# KiCad board AnalogFNN.kicad_pcb (continued)
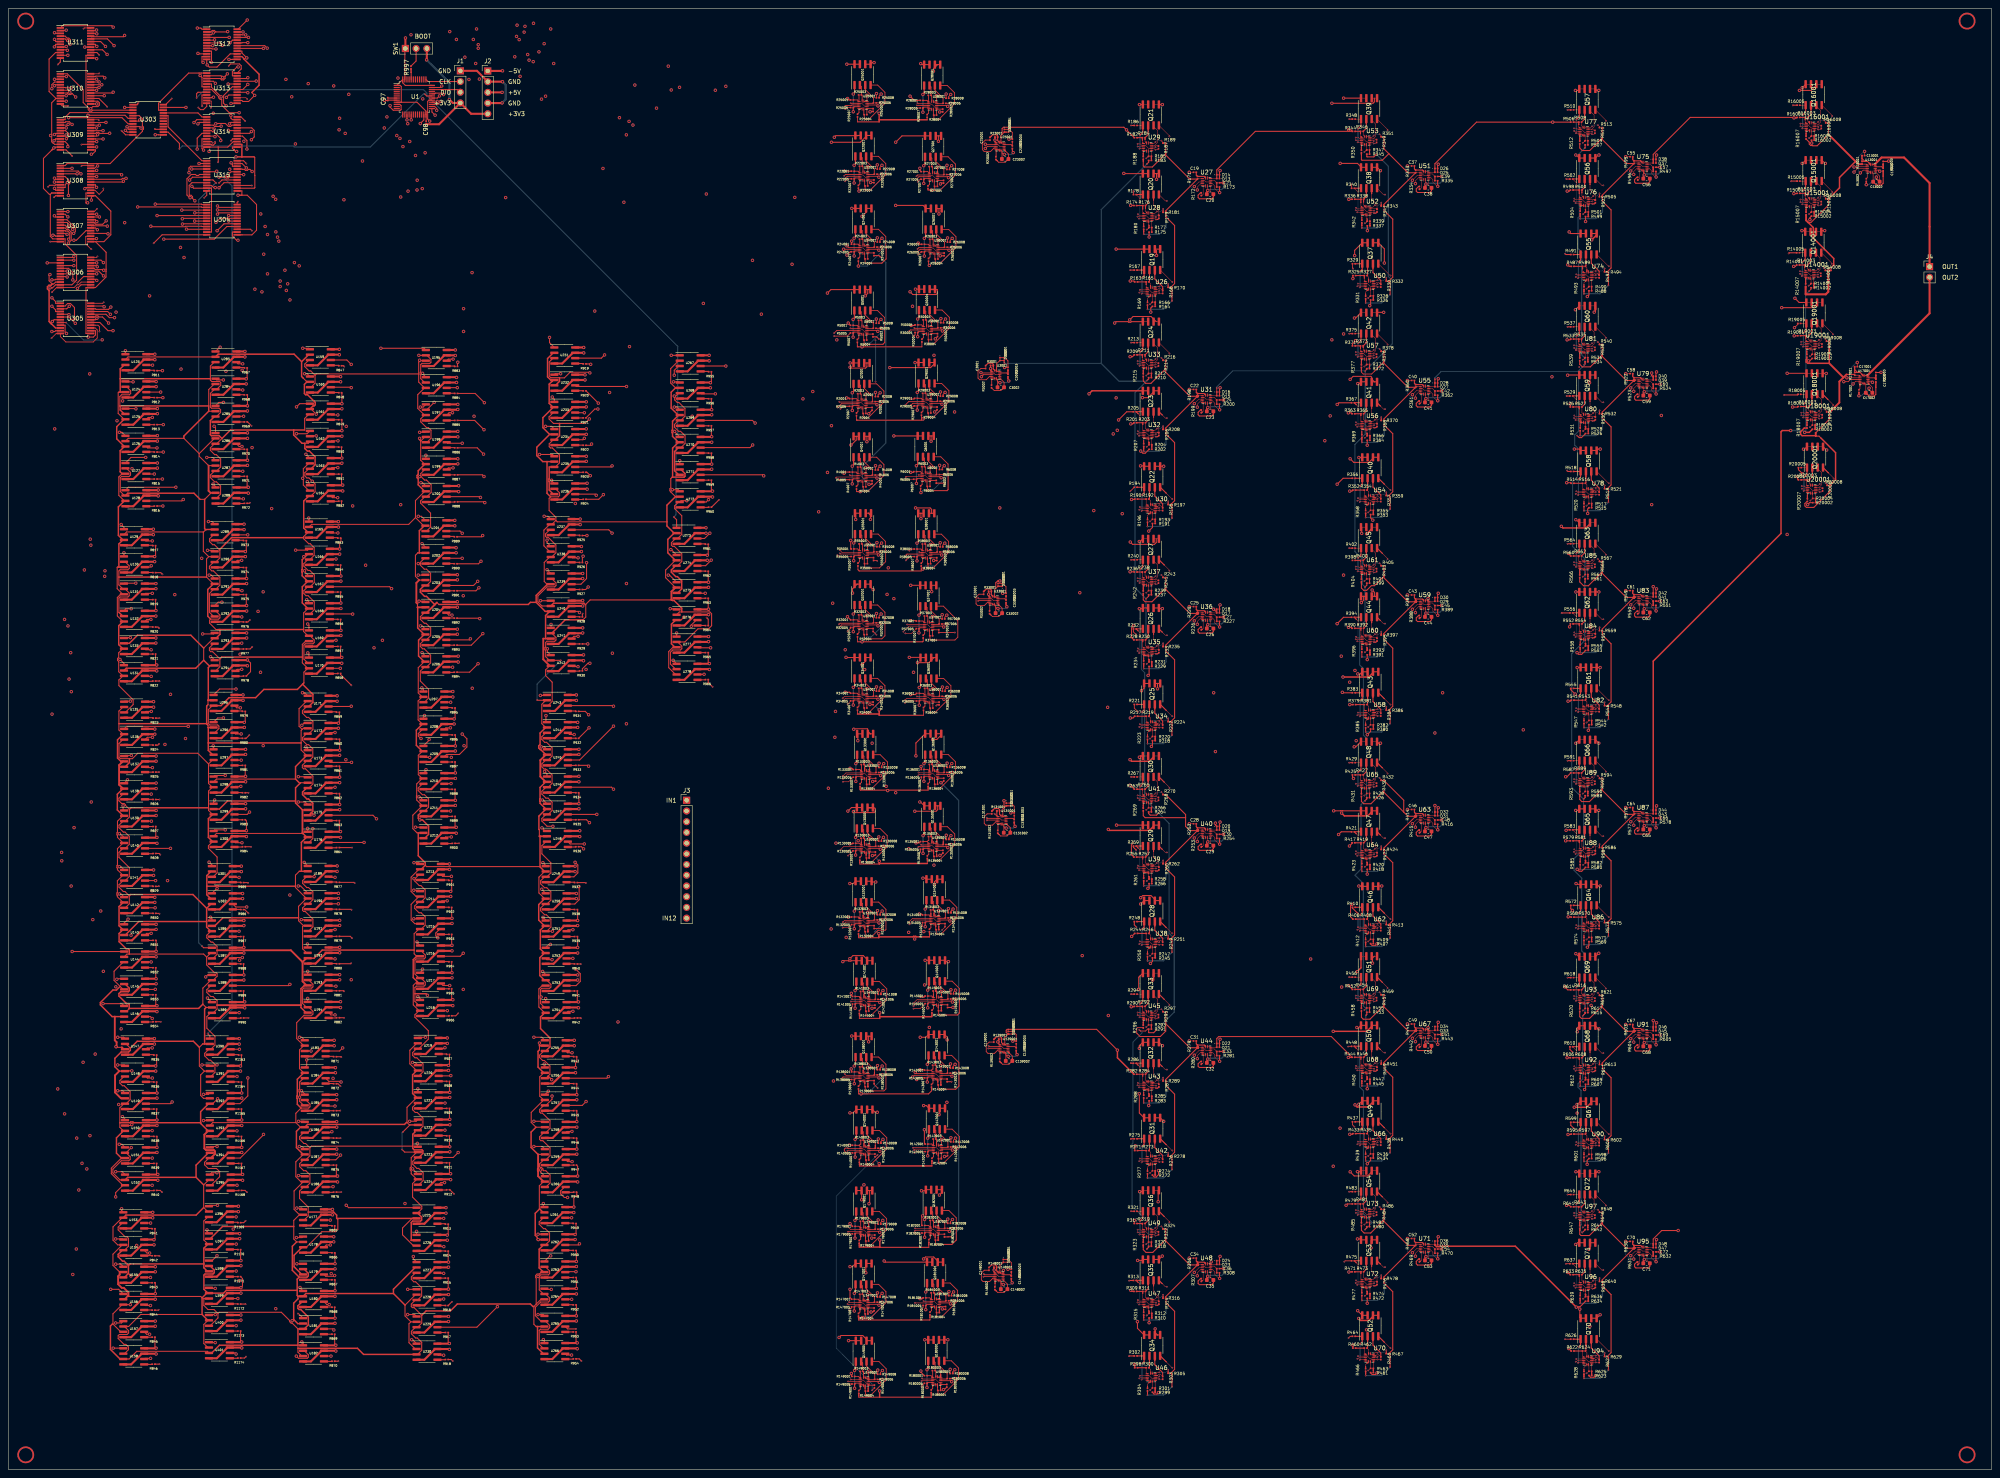
[diagram p0: board, top side]
## Routing (per net, layer and track width the routed paths; a pad name or vN(x,y) marks a point on that pad's centre or on a via; arc(x,y) is an arc through that point) (continued)
  In5.Cu w0.25: v1(216.66,60.16) 216.72,60.23 216.72,65.63 216.97,65.88 216.97,66.35 216.72,66.6 216.72,80.14 216.5,80.36 216.5,80.84 216.72,81.06 216.72,85.67 216.66,85.73 216.33,86.07 216.33,86.55 216.72,86.94 216.72,106.48 216.1,107.1 v2(216.1,112.04) ; v1(213.93,271.32) 213.02,272.23 213.02,325.03 v1(213.68,325.69)
/L1_IN8: length 348.9
  Top w0.25: v1(223.84,109.6) 223.82,109.58 R145002.1 ; R136002.1 221.24,162.88 v1(221,162.88) ; v2(223.5,55.2) 222.7,55.2 222.67,55.17 R182002.1 ; v1(219.29,215.59) 220.02,215.59 ; v1(219.67,268.14) 220.19,268.67 ; R28002.1 220.75,321.98 v1(220.7,321.94)
  In3.Cu w0.25: 220,268.14 220,251.12 220.08,251.04 220.08,250.56 220,250.48 220,186.04 221,185.04 v1(221,162.88)
  In3.Cu w0.35: v1(220.7,321.94) 218.08,319.32 218.08,292.94 219.67,291.36 v1(219.67,268.14) 220,268.14 ; 220,215.59 v1(219.29,215.59)
  In4.Cu w0.25: v1(221,162.88) 217.71,159.59 180.48,159.59 161.82,140.94 J3.8
  Bottom w0.25: v1(221,162.88) 225.19,158.69 225.19,110.95 v1(223.84,109.6) 225.19,108.25 225.19,56.89 v2(223.5,55.2)
/L1_IN9: length 337.5
  Top w0.25: v1(216,308.6) 216,308.11 R27001.1 ; R143001.1 217.05,94.8 v1(216.06,94.8) ; v1(213.8,201.31) 215.09,201.31 R37001.1 ; R29001.1 214.59,253.87 v2(213.88,253.87) ; v1(216.05,40.52) 216.58,40.52 R181001.1 ; v1(215.1,148.61) 215.84,148.61 R135001.1
  In1.Cu w0.25: v1(213.8,201.31) 213.8,193.12 214.07,192.85 214.07,192.37 213.8,192.1 213.8,188.29 214.52,187.58 214.52,169.71 214.44,169.63 214.44,169 215.1,168.34 215.1,156.64 215.38,156.36 215.38,155.88 215.1,155.6 v1(215.1,148.61)
  In2.Cu w0.25: J3.9 204.88,138.4 205.29,138.8 205.32,138.77 205.79,138.77 206.13,139.1 206.13,139.64 213.15,146.66 213.15,146.65 213.63,146.65 213.97,146.99 213.97,147.48 v1(215.1,148.61)
  In5.Cu w0.25: v1(215.1,148.61) 215.1,126.3 215.35,126.06 215.35,125.58 215.1,125.34 215.1,95.76 v1(216.06,94.8) 215.98,94.71 215.98,85.92 216.06,85.84 216.06,66.6 215.82,66.35 215.82,65.88 216.06,65.63 216.06,40.54 v1(216.05,40.52) ; v1(216,308.6) 216.16,308.44 216.16,291.12 216.2,291.08 216.2,290.6 216.16,290.56 216.16,257.39 213.88,255.11 v2(213.88,253.87) 213.2,253.19 213.2,218.42 212.94,218.16 212.94,217.68 213.2,217.42 213.2,201.91 v1(213.8,201.31)
/L1_IN10: length 353.1
  Top w0.2: v2(224.3,198.5) 224.29,198.5 R37002.1
  Top w0.25: v1(219.51,250.8) 219.56,250.8 R29002.1 ; v1(220.76,145.65) 220.91,145.65 R135002.1 ; R181002.1 221.42,38 v1(221.34,38.09) ; v2(223.52,92) 223.5,91.98 R143002.1 ; v1(220.89,304.88) 221.09,305.08 R27002.1
  In1.Cu w0.25: v1(219.34,143.34) 218.8,142.8 218.8,137.21 219,137.01 219,89.9 ; v2(223.52,92) 221.42,89.9 219,89.9 ; 219,89.9 219,40.43 v1(221.34,38.09)
  In2.Cu w0.25: 218.61,144.01 219.28,143.34 v1(219.34,143.34) ; v1(219.51,250.8) 219.51,250.81 224.23,250.81 v1(224.24,250.8)
  In2.Cu w0.35: J3.10 210.45,135.85 218.61,144.01
  In5.Cu w0.25: v1(219.34,143.34) 219.34,145.65
  In5.Cu w0.35: 219.34,145.65 v1(220.76,145.65) 220.76,151.75 224.29,155.29 224.29,250.8 ; 224.29,250.8 v1(224.24,250.8) ; 224.29,250.8 224.29,301.48 v1(220.89,304.88)
/L1_IN11: length 338.2
  Top w0.25: v1(213.83,236.47) 214.39,236.47 R6001.1 ; v1(213.84,183.79) 214.96,183.79 R36001.1 ; R142001.1 217.08,77.37 v1(217.08,80.6) ; v1(216.25,23.36) 216.25,23.09 R180001.1 ; R26001.1 215.89,290.57 v1(215.62,290.84) ; v1(215.85,131.74) 216.43,131.74 R134001.1
  In1.Cu w0.25: v1(215.85,131.74) 214.07,133.53 214.07,183.57 v1(213.84,183.79) ; v1(217.08,80.6) 215.38,78.9 215.38,24.24 v1(216.25,23.36)
  In3.Cu w0.25: v1(215.62,290.84) 216.12,290.35 216.12,244.79 213.83,242.51 v1(213.83,236.47) 213.83,218.42 214.09,218.16 214.09,217.68 214.07,217.66 214.18,217.55 214.18,212.42 214.84,211.77 214.84,200.72 213.84,199.72 213.84,193.08 214.07,192.85 214.07,192.37 213.84,192.14 v1(213.84,183.79)
  In4.Cu w0.25: J3.11 161.82,133.31 163.65,131.49 198.67,131.49 198.78,131.6 199.26,131.6 199.37,131.49 215.59,131.49 v1(215.85,131.74)
  In5.Cu w0.25: v1(217.08,80.6) 217.08,85.67 217.14,85.73 217.48,86.07 217.48,86.55 217.08,86.94 217.08,107.11 216.83,107.36 216.83,114.41 216.55,114.69 216.55,115.16 216.83,115.44 216.83,119.88 217.02,120.07 217.02,120.19 217.02,120.19 216.68,120.53 216.68,121 217.02,121.34 217.02,121.34 217.02,121.46 215.85,122.63 v1(215.85,131.74)
/L1_IN12: length 347.1
  Top w0.15: 221.97,128.67 v2(221.3,128)
  Top w0.25: R36002.1 220.09,181.35 v2(219.9,181.17) ; R142002.1 222.32,74.23 v1(221.84,74.23) ; R6002.1 221.91,233.93 v2(222,234.02) ; R180002.1 221.81,18.96 v1(221.61,18.96) ; v1(220.84,287.84) 221.74,287.84
  In2.Cu w0.25: v1(216.96,127.58) 216.13,128.41 204.98,128.41 204.15,127.58 199.46,127.58 199.22,127.82 197.87,127.82 197.63,127.58 165.02,127.58 161.82,130.78 J3.12
  In5.Cu w0.25: v2(222,234.02) 220.15,234.02 220.03,234.13 ; v1(216.96,127.58) 221.84,122.69 v1(221.84,74.23) 221.61,74 221.61,38.63 221.91,38.32 221.91,37.85 221.61,37.54 v1(221.61,18.96) ; v2(219.9,181.17) 219.9,181.1 218.61,179.81
  In5.Cu w0.45: v1(220.84,287.84) 220.03,287.03 220.03,268.73 220.34,268.42 220.34,267.86 220.03,267.56 220.03,251.23 220.18,251.08 220.18,250.52 220.03,250.38 220.03,204.27 218.34,202.58 218.34,180.07 218.6,179.8 218.6,173.63 218.39,173.42 218.39,172.86 218.6,172.65 218.6,129.16 217.02,127.58 v1(216.96,127.58)
  Bottom w0.15: v1(216.96,127.58) 220.88,127.58 v2(221.3,128)
/L5_OUT1: length 46.4
  Top w0.2: 442.44,309.35 442.29,309.5 U13001.13
  Top w0.25: 442.37,309.43 U13001.12 ; 455.31,294.76 J4.1
  Top w0.5: 442.29,309.5 443.94,311.15 449.26,311.15 455.31,305.1 J4.1
/L5_OUT2: length 30.3
  Top w0.2: U17001.13 440.56,259.45 U17001.12
  Top w0.25: 440.63,259.37 U17001.12
  Top w0.5: 440.56,259.45 455.31,274.2 J4.2
/MOSI: length 2362.5
  Top w0.25: 71.19,263.13 70.23,262.17 70.23,261.57 71.26,260.54 71.65,260.54 72.67,259.52 ; 27.36,86.76 26.39,85.8 26.39,81.16 27.24,80.31 ; 98.11,162.62 97.12,161.63 97.12,161.01 98.11,160.03 98.61,160.03 99.57,159.07 99.57,157.09 98.65,156.17 ; 98.69,230.72 97.68,229.71 97.68,229.18 100.04,226.82 100.04,223.5 99.11,222.56 ; 47.48,73.87 46.49,72.87 46.49,72.27 47.35,71.4 49.3,71.4 50.05,70.65 50.05,69.44 48.03,67.42 ; 97.26,128.18 96.16,127.07 96.16,122.31 96.74,121.73 ; 70.25,243.38 71.05,243.38 U162.3 ; 126.87,86.37 125.9,85.4 125.9,84.79 126.17,84.53 126.56,84.53 128.36,82.73 128.36,80.9 127.37,79.92 ; v1(128.93,127.66) 128.93,127.66 127.45,127.66 ; 96.96,27.31 97.94,28.3 97.94,30.15 96.89,31.21 96.49,31.21 95.5,32.2 95.5,32.8 96.47,33.76 ; 27.41,249.06 26.01,250.47 26.01,255.35 26.17,255.51 ; 125.08,39.23 125.08,45.42 124.94,45.56 124.94,46.03 125.28,46.37 125.84,46.37 126.45,46.98 ; 125.08,39.23 126.21,40.37 ; 125.08,39.23 124.53,38.68 124.53,34.46 125.07,33.92 ; 158.1,188.55 156.49,190.17 156.49,193.99 157.49,195 158.16,195 ; 127.39,148.91 126.42,147.95 126.42,146.03 128.54,143.91 128.54,141.49 127.62,140.56 ; 48.82,243.26 47.85,242.3 47.85,241.7 48.88,240.68 49.27,240.68 50.29,239.66 50.29,237.77 49.34,236.81 ; 98.59,216.12 97.62,215.14 97.62,214.47 98.56,213.53 99.08,213.53 100.05,212.56 100.05,210.58 99.13,209.66 ; v1(72.13,151.99) 72.13,149.63 71.21,148.72 ; 47.99,93.21 48.94,94.17 48.94,96.06 47.92,97.07 47.53,97.07 46.5,98.1 46.5,98.7 47.47,99.67 ; 127.63,134.12 128.55,135.03 128.55,137.01 127.58,137.97 127.06,137.97 126.12,138.92 126.12,139.62 127.06,140.56 ; U158.3 28.59,26.21 30.42,28.05 47.14,28.05 U401.3 ; 97.26,134.63 96.29,133.66 96.29,133.06 97.31,132.04 97.81,132.04 98.77,131.08 98.77,129.1 97.85,128.18 ; 96.48,46.67 95.49,45.67 95.49,45.12 96.08,44.53 96.5,44.53 97.93,43.1 97.93,41.17 96.97,40.21 ; 159.38,242.35 160.36,243.33 160.36,245.16 159.31,246.21 158.84,246.21 157.85,247.2 157.85,247.84 158.81,248.8 ; 48.38,155.37 47.42,156.32 47.42,160.91 48.32,161.81 47.42,162.72 47.42,167.33 ; 69.97,86.37 69.01,87.33 69.01,89.44 68.86,89.59 68.86,90.07 69.01,90.21 69.01,91.9 69.92,92.81 ; 26.97,58.46 26,57.49 26,56.84 27.63,55.21 28.07,55.21 28.44,54.84 28.44,52.96 27.5,52.01 ; 48.4,86.76 v1(49.56,87.92) ; 97.31,67.56 98.29,68.54 98.29,70.37 97.23,71.43 96.79,71.43 95.82,72.39 95.82,73.09 96.75,74.01 ; 27.12,147.31 26.2,146.39 26.2,145.18 28.65,142.74 28.65,140.65 27.66,139.66 ; 69.96,67.01 69,66.05 69,64.29 71.05,62.24 71.05,60.15 70.06,59.17 ; 48.63,202.31 47.63,203.31 47.63,207.76 48.63,208.76 ; v1(97.47,235.48) 97.65,235.48 97.72,235.55 ; 48.49,121.22 49.44,122.17 49.44,124.06 48.42,125.07 48.03,125.07 47,126.1 47,126.7 47.97,127.66 ; 158.59,214.35 159.58,215.34 159.58,217.16 157.81,218.94 157.4,218.94 157.12,219.21 157.12,219.81 158.11,220.8 ; 48.8,256.17 47.87,255.23 47.87,251.95 48.12,251.69 49.91,251.69 50.28,251.33 50.28,250.68 49.31,249.72 ; 69.97,79.92 69,78.95 69,78.35 70.03,77.32 70.42,77.32 71.44,76.31 ; v1(137.67,249.15) 136.62,248.1 129.17,248.1 128.13,249.13 128.13,249.66 129.14,250.67 ; 97.27,99.81 99.51,102.06 99.51,104.08 96.33,107.26 96.33,107.85 97.31,108.83 95.95,110.19 95.95,114.83 96.86,115.74 ; 27.17,113.87 25.03,116 25.03,118.17 27.18,120.31 ; 50.61,244.51 49.36,243.26 ; 99.08,196.76 100.07,197.75 100.07,199.59 98.96,200.69 98.57,200.69 97.62,201.64 97.62,202.25 98.59,203.22 ; 99.21,243.62 100.15,244.56 100.15,246.45 99.52,247.08 99.1,247.08 97.72,248.46 97.72,249.2 98.59,250.06 97.01,251.65 97.01,254.91 98.61,256.51 97.23,257.89 97.23,259.83 ; 101.55,205.62 102.02,205.15 ; 71.17,127.72 72.16,128.7 72.16,130.53 70.34,132.34 69.96,132.34 69.71,132.6 69.71,133.18 70.69,134.16 ; 97.29,141.08 96.33,140.12 96.33,139.52 97.36,138.49 97.75,138.49 98.77,137.47 98.77,135.58 97.81,134.63 ; v1(128.83,88.58) 128.83,87.81 127.38,86.37 ; 128.27,190.62 127.31,189.65 127.31,188.29 128.87,186.73 128.87,182.16 127.87,181.16 ; 27.47,229.72 26.16,231.03 26.16,235.4 26.93,236.17 ; 27.11,207.56 25.77,208.9 25.77,213.93 25.86,214.01 ; 97.57,262.97 97.23,262.63 97.23,259.83 ; 97.57,262.97 v1(97.45,263.08) ; 97.57,262.97 98.92,262.97 ; 126.88,99.26 125.88,98.27 125.88,97.73 126.61,97 127.03,97 128.33,95.7 128.33,93.74 127.41,92.81 ; U156.3 v1(28.89,39.12) ; v1(97.79,173.37) 97.71,173.37 97.14,173.94 97.14,174.55 98.1,175.52 ; 158.8,229.45 157.89,228.54 157.89,227.88 159.58,226.19 159.58,221.77 158.6,220.8 ; 48.58,221.66 47.67,220.76 47.67,220.06 48.41,219.32 48.83,219.32 50.11,218.04 50.11,216.19 49.13,215.22 ; 27.71,179.56 29.55,181.41 29.55,182.53 26.17,185.91 26.17,187.26 27.13,188.22 26.13,189.22 26.13,191.6 25.86,191.88 25.86,192.36 26.13,192.63 26.13,193.7 27.09,194.66 ; 48.64,215.22 47.63,214.21 47.63,213.68 48.18,213.13 48.57,213.13 50.11,211.59 50.11,209.74 49.13,208.76 ; 27.17,139.66 26.2,138.7 26.2,138.1 27.23,137.07 27.62,137.07 28.64,136.06 28.64,134.17 27.69,133.22 ; 97.23,259.83 72.97,259.83 72.67,259.52 ; v1(99.84,168.89) 98.53,168.89 ; 127.08,134.12 126.11,133.14 126.11,132.54 127.08,131.56 127.5,131.56 128.57,130.5 128.57,128.65 127.58,127.66 ; 128.27,222.87 127.28,221.87 127.28,221.32 127.53,221.07 127.93,221.07 129.74,219.25 129.74,217.4 128.76,216.41 ; 48.53,108.31 49.45,109.23 49.45,111.21 48.48,112.18 47.96,112.18 47.02,113.12 47.02,113.82 47.97,114.76 ; 95.96,53.12 93.4,55.67 93.4,57.3 95.67,59.56 96.72,59.56 ; v1(160.77,229.76) 159.41,229.76 U272.3 ; 71.49,202.91 72.48,203.9 72.48,205.78 71.02,207.23 70.52,207.23 70.02,207.74 70.02,208.45 70.93,209.37 ; 27.37,93.21 26.4,92.25 26.4,91.65 27.04,91.02 27.44,91.02 28.84,89.62 28.84,87.72 27.89,86.76 ; 127.93,155.37 128.84,156.28 128.84,158.27 127.89,159.22 127.39,159.22 126.42,160.19 126.42,160.85 127.38,161.81 ; 97.72,235.55 98.62,234.66 99.08,234.66 100.18,233.55 100.18,231.71 99.18,230.72 ; 97.72,235.55 97.72,236.21 98.67,237.17 ; 67.91,47.89 68.03,47.77 ; v1(25.41,64.66) 25.41,65.69 27.14,67.42 24.39,70.17 24.39,71.48 26.77,73.87 U151.3 ; 127.32,121.22 127.62,120.92 v1(128.83,120.92) ; 27.13,201.12 25.81,202.43 25.81,206.81 26.56,207.56 ; 48.83,236.81 47.85,235.83 47.85,235.25 48.87,234.22 49.31,234.22 50.28,233.26 50.28,231.32 49.33,230.37 ; 126.85,73.46 125.88,72.5 125.88,71.82 126.07,71.64 126.34,71.64 126.67,71.3 126.67,71.03 126.83,70.88 127.35,70.88 128.36,69.87 128.36,67.97 127.41,67.01 ; 95.82,76.7 71.83,76.7 71.44,76.31 ; 69.93,73.46 69.02,72.55 69.02,71.83 69.98,70.88 70.49,70.88 71.45,69.92 71.45,67.93 70.53,67.01 ; 98.58,190.31 97.61,189.35 97.61,187 99.57,185.04 99.57,182.95 98.59,181.97 ; 48.38,148.91 47.4,147.93 47.4,147.32 49.46,145.26 49.46,141.51 48.51,140.56 ; 127.93,161.81 128.84,162.73 128.84,164.72 127.57,166 127.43,166 127.3,166.13 126.94,166.13 126.42,166.64 126.42,167.36 127.32,168.26 ; 26.61,32.67 24.77,34.51 24.77,36.94 26.94,39.12 ; 48.63,195.87 47.63,194.87 47.63,194.25 47.93,193.95 48.39,193.95 50.11,192.24 50.11,190.39 49.13,189.41 ; 70.2,246.52 70.2,249.26 71.17,250.23 ; 48.35,168.26 47.42,167.33 ; 47.42,167.33 44.88,169.87 30.66,169.87 29.38,168.59 26.53,168.59 26.2,168.92 26.2,172.19 27.13,173.12 ; 27.18,160.22 26.18,159.21 26.18,158.62 26.88,157.91 26.93,157.96 27.41,157.96 27.74,157.62 27.74,157.5 28.67,156.58 28.67,154.75 27.68,153.76 ; U239.3 127.64,209.97 126.99,210.62 126.99,215.13 128.27,216.41 ; 70.99,222.26 69.97,221.24 69.97,220.75 71.16,219.55 71.54,219.55 72.46,218.63 72.46,216.8 71.47,215.81 ; 71.72,256.68 72.67,257.63 72.67,259.52 ; 49.36,256.17 50.32,257.12 50.32,257.77 50.05,258.04 48.17,258.04 47.86,258.35 47.86,261.7 48.78,262.62 ; 97.61,154.06 v1(97.51,154.06) ; 96.77,86.92 95.77,85.92 95.77,85.34 96.42,84.69 96.89,84.69 98.23,83.35 98.23,81.39 97.3,80.46 ; v1(129.04,152.55) 127.66,152.55 126.42,153.79 126.42,154.39 127.39,155.37 ; 70.68,180.97 69.68,179.96 69.68,179.37 70.67,178.38 71.14,178.38 72.16,177.36 72.16,175.46 71.21,174.51 ; 71.44,76.31 71.44,74.42 70.49,73.46 ; 46.3,40.56 46.3,38.94 47.29,37.95 48.72,37.95 49.66,37.01 ; 27.69,147.31 28.64,148.27 28.64,150.16 27.62,151.18 27.23,151.18 26.2,152.2 26.2,152.8 27.17,153.76 ; 70.43,196.47 69.65,195.69 69.65,191.31 70.94,190.01 70.02,189.1 70.02,186.55 ; U1.17 v1(95.45,320.07) ; 158.81,261.7 157.8,260.69 v1(157.8,259.52) ; 71.16,134.16 72.15,135.15 72.15,136.99 71.12,138.03 70.71,138.03 69.72,139.01 69.72,139.68 70.66,140.62 ; 126.77,59.71 125.79,58.73 125.79,58.16 126.83,57.12 127.22,57.12 128.24,56.1 128.24,54.25 127.26,53.26 ; 48.88,174.72 49.88,175.72 49.88,176.3 49.61,176.57 47.73,176.57 47.38,176.93 47.38,180.21 48.33,181.16 ; 70.69,168.06 69.66,167.03 69.66,166.47 69.94,166.19 70.4,166.19 72.16,164.43 72.16,162.6 71.17,161.62 ; 70.64,174.51 69.72,173.6 69.72,172.91 70.67,171.96 70.73,171.96 70.78,171.9 71.13,171.9 72.13,170.9 72.13,168.96 71.24,168.06 ; 70.59,52.71 74.27,56.4 77.48,56.4 78.06,56.98 78.06,59.29 77.79,59.56 ; v1(137.8,260.07) 137.65,260.23 133.09,260.23 131.76,258.89 130.6,258.89 130.56,258.93 128.54,258.93 128.17,259.3 128.17,262.66 129.07,263.56 ; 127.07,108.31 125.71,109.68 125.71,111.8 125.68,111.83 125.68,112.3 125.71,112.33 125.71,113.99 126.49,114.76 ; 159.35,248.8 160.33,249.78 160.33,251.63 158.9,253.06 158.5,253.06 157.9,253.66 157.9,254.3 158.85,255.25 ; 71.51,209.37 72.49,210.34 72.49,212.17 71.43,213.22 71.01,213.22 70,214.24 70,214.83 70.98,215.81 ; v1(160.08,202.14) 159.39,201.45 U276.3 ; 129.12,244.22 128.17,243.26 128.17,242.56 128.45,242.27 128.92,242.27 130.6,240.59 130.6,238.74 129.63,237.76 ; 96.44,40.21 95.48,39.25 95.48,38.66 95.72,38.41 96.13,38.41 97.96,36.59 97.96,34.74 96.98,33.76 ; 127.89,168.26 128.84,169.22 128.84,171.16 127.54,172.46 127.09,172.46 126.41,173.15 126.41,173.79 127.33,174.72 ; 128.16,237.76 U235.3 ; v1(29.03,45.91) 28.43,46.51 ; 71.7,230.88 72.68,231.85 72.68,233.7 v1(72,234.38) 71.22,235.16 70.74,235.16 70.25,235.64 70.25,236.41 71.17,237.33 ; 47.81,34.12 49.66,35.96 49.66,37.01 ; 70.22,99.26 v1(71.72,99.26) ; 69.52,26.92 68.61,27.82 68.61,29.5 ; 127.38,73.46 128.36,74.44 128.36,76.29 126.65,77.99 126.19,77.99 125.88,78.3 125.88,78.92 126.88,79.92 ; 47.26,59.92 46.3,58.96 46.3,54.44 47.28,53.46 ; 97.28,93.37 98.26,94.34 98.26,96.19 96.8,97.65 96.36,97.65 95.81,98.2 95.81,98.9 96.72,99.81 ; 47.92,108.31 47.02,107.41 47.02,104.66 48.95,102.74 48.95,100.65 47.96,99.67 ; 49.66,37.01 49.95,37.3 64.68,37.3 66.66,35.32 66.66,35.06 67,34.73 67.25,34.73 68.61,33.37 U181.3 ; 70.92,140.62 v1(72.44,140.62) ; 98.55,196.76 97.61,195.83 97.61,195.2 98.18,194.63 98.56,194.63 100.06,193.14 100.06,191.28 99.09,190.31 ; 26.88,100.12 25.63,100.12 ; 70.99,79.92 v1(71.57,80.5)
  Top w0.35: 45.55,82.25 45.55,84.88 47.43,86.76 ; 45.55,82.25 29.68,82.25 29.49,82.44 28.97,82.44 28.79,82.25 26.39,82.25 ; 45.55,82.25 45.55,82.08 47.32,80.31 ; 126.78,27.46 125.39,28.85 125.39,33.92 ; 26.17,214.01 U130.3 ; 26.17,214.01 26.17,219.51 27.12,220.47 26.05,221.54 26.05,228.3 27.47,229.72 ; 26.17,214.01 25.86,214.01 ; 26.49,255.51 26.17,255.51 ; 26.49,255.51 U124.3 ; 26.49,255.51 26.49,258.68 ; 98.66,149.72 99.57,150.64 99.57,152.62 98.13,154.06 97.61,154.06 ; 127.64,209.97 127.64,209.86 125.07,207.3 125.07,205.66 ; U265.3 125.39,33.92 ; 125.39,33.92 125.07,33.92 ; 102.02,205.15 123.2,205.15 123.71,205.66 125.07,205.66 ; 67.6,246.52 52.62,246.52 50.61,244.51 49.95,245.17 48.13,245.17 47.85,245.44 47.85,248.75 48.81,249.72 ; 67.6,246.52 70.2,246.52 ; 67.6,246.52 67.6,245.35 69.57,243.38 70.25,243.38 70.25,242.13 70.85,241.53 71.33,241.53 72.68,240.17 72.68,238.28 71.73,237.33 ; 46.98,133.11 43.71,136.37 28.95,136.37 28.64,136.06 ; 46.98,133.11 46.98,129.97 ; 46.98,133.11 47.98,134.12 ; 48.38,155.35 47.38,154.36 47.38,149.92 48.38,148.91 ; v1(49.43,95.98) 48.94,95.98 ; 129.63,244.22 130.61,245.19 130.61,248.1 ; 50.11,192.24 50.54,192.68 69.65,192.68 ; 158.07,214.31 157.11,213.34 157.11,212.81 158.15,211.76 158.55,211.76 159.57,210.74 159.57,208.85 158.62,207.9 ; 27.49,45.56 28.44,46.52 28.44,48.41 ; 96.72,59.56 77.79,59.56 77.79,60.35 77.06,61.07 71.05,61.07 ; 68.61,33.37 68.61,29.5 50.02,29.5 48.19,27.67 ; 27.43,261.97 26.49,261.02 26.49,258.68 ; 46.31,48.76 28.79,48.76 28.44,48.41 ; 46.31,48.76 46.31,52.5 47.28,53.46 ; 46.31,48.76 46.31,47.85 47.15,47.01 ; 27.24,80.31 25.6,78.67 25.6,75.03 26.77,73.87 ; 97.26,74.01 98.23,74.98 98.23,75.59 98.01,75.81 96.17,75.81 95.82,76.15 95.82,79.52 96.3,80 96.3,80.46 ; 125.07,205.66 127.22,203.51 128.41,203.51 ; 96.72,27.31 84.16,27.31 82.72,28.76 68.61,28.76 ; 130.6,258.89 130.6,258.06 129.65,257.12 ; 97.96,36.59 98.99,37.62 104.74,37.62 106.38,39.26 123.7,39.26 124.28,38.68 124.53,38.68 ; 71.19,230.88 69.98,229.68 69.98,223.27 70.99,222.26 ; 96.16,123.2 74.38,123.2 72.45,121.26 70.92,121.26 ; 70.51,161.49 69.7,160.68 69.7,160.05 70.73,159.03 71.12,159.03 72.14,158.01 72.14,156.12 71.81,155.79 ; 71.18,180.97 72.16,181.95 72.16,183.8 69.72,186.24 ; 27.41,249.06 25.67,247.32 25.67,244.43 27.48,242.62 26.47,241.61 26.47,236.62 26.93,236.17 ; 26.88,100.12 26.88,100.12 ; U241.3 127.3,197.06 ; 127.3,197.06 126.75,197.06 ; 127.3,197.06 127.3,202.53 128.29,203.51 ; 70.12,33.37 71.07,34.32 71.07,36.16 69.28,37.95 68.87,37.95 68.6,38.23 68.6,38.83 69.32,39.55 69.32,39.81 ; 69.97,221 52.87,221 50.01,218.14 ; 68.03,47.77 69.53,46.26 ; 47.42,156.93 29.02,156.93 28.67,156.58 ; 158.1,201.45 157.13,200.48 157.13,195.84 157.97,195 ; 126.62,46.98 125.78,47.82 125.78,52.26 126.79,53.26 ; 71.81,155.79 71.19,155.16 ; 71.81,155.79 v1(72.42,155.18) ; 70.13,114.81 69.33,114.01 69.33,109.56 70.53,108.37 ; 26.46,114.57 25.61,113.72 24.76,113.72 21.78,110.74 21.78,110.2 24.57,107.41 27.19,107.41 ; 69.72,186.24 68.48,185 60.54,185 58.58,183.05 52.28,183.05 50.39,181.16 48.62,181.16 ; 69.72,186.24 70.02,186.55 ; 26.45,26.21 24.17,28.49 24.17,34.05 24.63,34.51 24.77,34.51 ; 28.44,48.41 27.42,49.43 27.03,49.43 26,50.45 26,51.03 26.92,51.94 ; 69.01,88.31 v1(68.99,88.31) ; 27.7,126.76 30.9,129.97 46.98,129.97 ; 27.09,194.66 26.14,195.62 26.14,200.13 27.13,201.12 ; 26.49,258.68 47.86,258.68 ; 27.67,166.66 28.67,167.66 28.67,168.59 ; 46.98,129.97 46.98,128.65 47.97,127.66 ; v1(97.51,154.06) 97.13,154.44 97.13,155.2 98.1,156.17 ; 25.63,100.28 v1(25.48,100.28) ; 127.07,108.3 126.1,107.33 126.1,104.58 128.35,102.34 128.35,100.25 127.36,99.26 ; U216.3 96.74,121.73 95.94,120.93 95.94,116.66 96.86,115.74 97.31,115.28 ; 46.3,40.56 U399.3 ; v1(96.11,140.12) 96.33,140.12 ; 101.04,205.12 99.08,207.07 98.62,207.07 97.61,208.08 97.61,208.73 98.55,209.66 ; U178.3 70.68,52.71 ; v1(157.8,254.58) 157.99,254.39 ; 158.85,235.9 157.87,236.88 157.87,241.43 158.79,242.35 ; 128.16,237.76 128.16,234.94 128.1,234.88 128.1,234.36 128.16,234.29 128.16,232.29 129.13,231.31 ; v1(97.12,214.85) 97.62,214.85 ; 69.58,52.71 67.7,50.83 67.7,48.1 67.91,47.89 ; v1(128.74,92.46) 127.9,93.31
  Top w0.45: 25.21,107.41 25.21,101.8 25.63,101.38 25.63,100.12 ; 128.27,190.62 126.75,192.13 126.75,197.06 ; 47.32,80.31 46.43,79.42 46.43,76.15 46.81,75.77 48.67,75.77 48.96,75.47 48.96,74.86 47.97,73.87 ; 49.45,110.14 69.33,110.14 ; 126.62,46.98 126.78,46.81 ; 70.64,121.3 69.71,120.37 ; 69.71,120.37 66.92,123.15 49.44,123.15 ; 69.71,120.37 69.71,115.77 70.66,114.81 ; 99.14,203.22 101.55,205.62 ; 26.88,100.12 27.34,99.67
  In1.Cu w0.25: v1(49.43,95.98) 49.56,95.84 v1(49.56,87.92) ; v1(97.45,263.08) 97.45,255.96 96.78,255.29 96.78,236.18 v1(97.47,235.48) ; v1(72.42,155.18) 72.13,154.89 v1(72.13,151.99) ; v1(128.74,92.46) 128.83,92.37 v1(128.83,88.58) ; v1(71.57,80.5) 71.72,80.64 v1(71.72,99.26) ; v1(97.79,173.37) 97.79,160.16 97.96,159.98 97.96,154.52 v1(97.51,154.06) 97.51,141.51 v1(96.11,140.12) ; v1(160.08,202.14) 160.77,202.83 v1(160.77,229.76)
  In1.Cu w0.35: v1(68.99,88.31) 71.72,88.31
  In1.Cu w0.45: v1(97.47,235.48) 96.47,234.48 96.47,215.5 v1(97.12,214.85)
  In2.Cu w0.25: v1(72,234.38) 73.11,235.48 v1(97.47,235.48) ; v1(137.8,260.07) 157.25,260.07 v1(157.8,259.52) ; v1(25.48,100.28) 28.33,97.42 47.98,97.42 v1(49.43,95.98) ; v1(97.51,154.06) 96.79,154.06 94.71,151.99 v1(72.13,151.99)
  In2.Cu w0.35: v1(137.8,260.07) 137.11,260.76 99.77,260.76 v1(97.45,263.08)
  In3.Cu w0.25: v1(72.44,140.62) 72.13,140.93 v1(72.13,151.99) ; v1(128.74,92.46) 128.74,120.83 v1(128.83,120.92) 128.83,124.1 129.03,124.29 129.03,124.77 128.83,124.96 128.83,127.56 v1(128.93,127.66) 128.93,152.44 v1(129.04,152.55) ; v1(157.8,259.52) 158.26,259.06 158.26,255.04 v1(157.8,254.58) ; v1(25.41,64.66) 29.03,61.04 v1(29.03,45.91) 29.03,39.26 v1(28.89,39.12) ; v1(95.45,320.07) 95.73,319.79 95.73,266.57 97.51,264.8 97.84,264.46 97.84,263.99 97.45,263.59 v1(97.45,263.08) ; v1(137.67,249.15) 137.67,259.94 v1(137.8,260.07)
  In4.Cu w0.25: v1(68.99,88.31) 68.1,87.42 50.06,87.42 v1(49.56,87.92) ; v1(129.04,152.55) 127.53,154.06 v1(97.51,154.06)
  In5.Cu w0.25: 97.72,173.43 v1(97.79,173.37) ; 97.72,173.43 97.72,171.01 v1(99.84,168.89) ; 97.72,173.43 97.14,174.01 ; v1(160.77,229.76) 160.77,251.6 v1(157.8,254.58)
  In5.Cu w0.35: 97.14,174.01 96.49,174.66 96.49,214.22 v1(97.12,214.85)
/Neuron6_1/Adder2/SUM_IN: length 74.6
  Top w0.1: U27.1 281.91,306.15
  Top w0.25: 268.96,310.29 R188.2 268.96,310.29 ; 268.96,310.29 268.96,309.14 269.2,308.9 271.11,308.9 274.28,312.07 ; 281.91,306.15 R171.1 ; R171.1 274.28,298.51 274.28,298.33 ; R171.1 279.98,306.03 274.28,311.73 274.28,312.07 ; 274.28,298.33 R181.2 ; 274.28,298.33 R181.2 ; R181.2 274.36,298.07 v2(274.36,297.05) 276.38,295.02 276.38,281.25 R170.2 275.76,280.07 v2(275.76,277.15) ; 269.96,275.65 R169.2 269.96,275.65 ; 269.96,275.65 v2(269.96,275.15) ; 274.28,312.07 R189.2 ; 269.06,293.54 R180.2 269.06,293.54 ; 269.06,293.54 v2(269.06,292.95)
  Bottom w0.25: v2(275.76,277.15) 273.76,275.15 v2(269.96,275.15) ; v2(274.36,297.05) 274.36,294.55 272.76,292.95 v2(269.06,292.95)
/Neuron6_1/OUT: length 305.6
  Top w0.1: U27.13 284.74,306.3 U27.12 D13.2
  Top w0.25: v1(317.03,62.67) 317.36,63 R479.1 ; v1(317.61,317.72) 318.17,317.72 R344.1 295.51,317.35 286.37,308.21 D14.1 D13.2 ; v1(317.64,114.76) 317.64,114.76 R452.1 ; v1(318.77,163.89) 318.54,164.12 R425.1 ; R371.1 318.54,266.97 v1(319.28,267.71)
  In1.Cu w0.25: v1(317.03,62.67) 316.89,62.8 316.89,114.01 v1(317.64,114.76) 317.25,115.16 317.25,162.37 v1(318.77,163.89)
  In3.Cu w0.25: v1(319.28,267.71) 319.25,267.74 319.25,272.5 319.25,272.51 319.59,272.85 319.59,273.32 319.25,273.67 319.25,282.16 319.33,282.24 319.33,287.34 319.63,287.64 319.63,288.12 319.33,288.42 319.33,297.23 316.97,299.58 316.97,317.08 v1(317.61,317.72)
  In5.Cu w0.25: v1(318.77,163.89) 318.77,170.77 318.71,170.83 318.37,171.16 318.37,171.64 318.77,172.04 318.77,187.57 318.47,187.86 318.47,206.91 318.77,207.21 318.77,267.2 v1(319.28,267.71)
/Neuron6_2/Adder2/SUM_IN: length 73.5
  Top w0.1: U31.1 281.91,254.65
  Top w0.25: 274.28,261.08 274.28,260.23 279.98,254.53 R198.1 274.28,247.01 R208.2 ; 274.28,261.08 R216.2 ; 274.28,261.08 270.79,257.6 269.5,257.6 268.96,258.14 R215.2 ; 269.06,242.04 R207.2 269.06,242.04 ; 269.06,242.04 v2(269.06,241.45) ; R196.2 v2(269.96,223.65) ; 274.32,246.61 274.36,246.57 v2(274.36,245.55) 276.38,243.53 276.38,229.75 R197.2 ; R197.2 275.62,228.71 ; R197.2 275.62,228.71 ; 275.62,228.71 275.76,228.57 v2(275.76,225.65) ; 281.91,254.65 281.85,254.59
  Top w0.551: 281.85,254.59 R198.1
  Top w0.651: 281.85,254.59 R198.1
  Bottom w0.25: v2(269.06,241.45) 272.76,241.45 274.36,243.05 v2(274.36,245.55) ; v2(275.76,225.65) 273.76,223.65 v2(269.96,223.65)
